# Altium PCB galileo_cleaned.PcbDoc (part 10 of 10)
Units mil, origin at the board's own origin, x right, y up, seen from the top; angles counter-clockwise.
Board outline 4205 x 2835.09 mil, 6 copper layers (TOP, PWR, LYR_1, LYR_2, GND, BOTTOM), stack 80.1 mil thick; 533 components, 432 nets, 2101 pads, 1155 vias.
Unrouted connection lines stored in the file: 669.
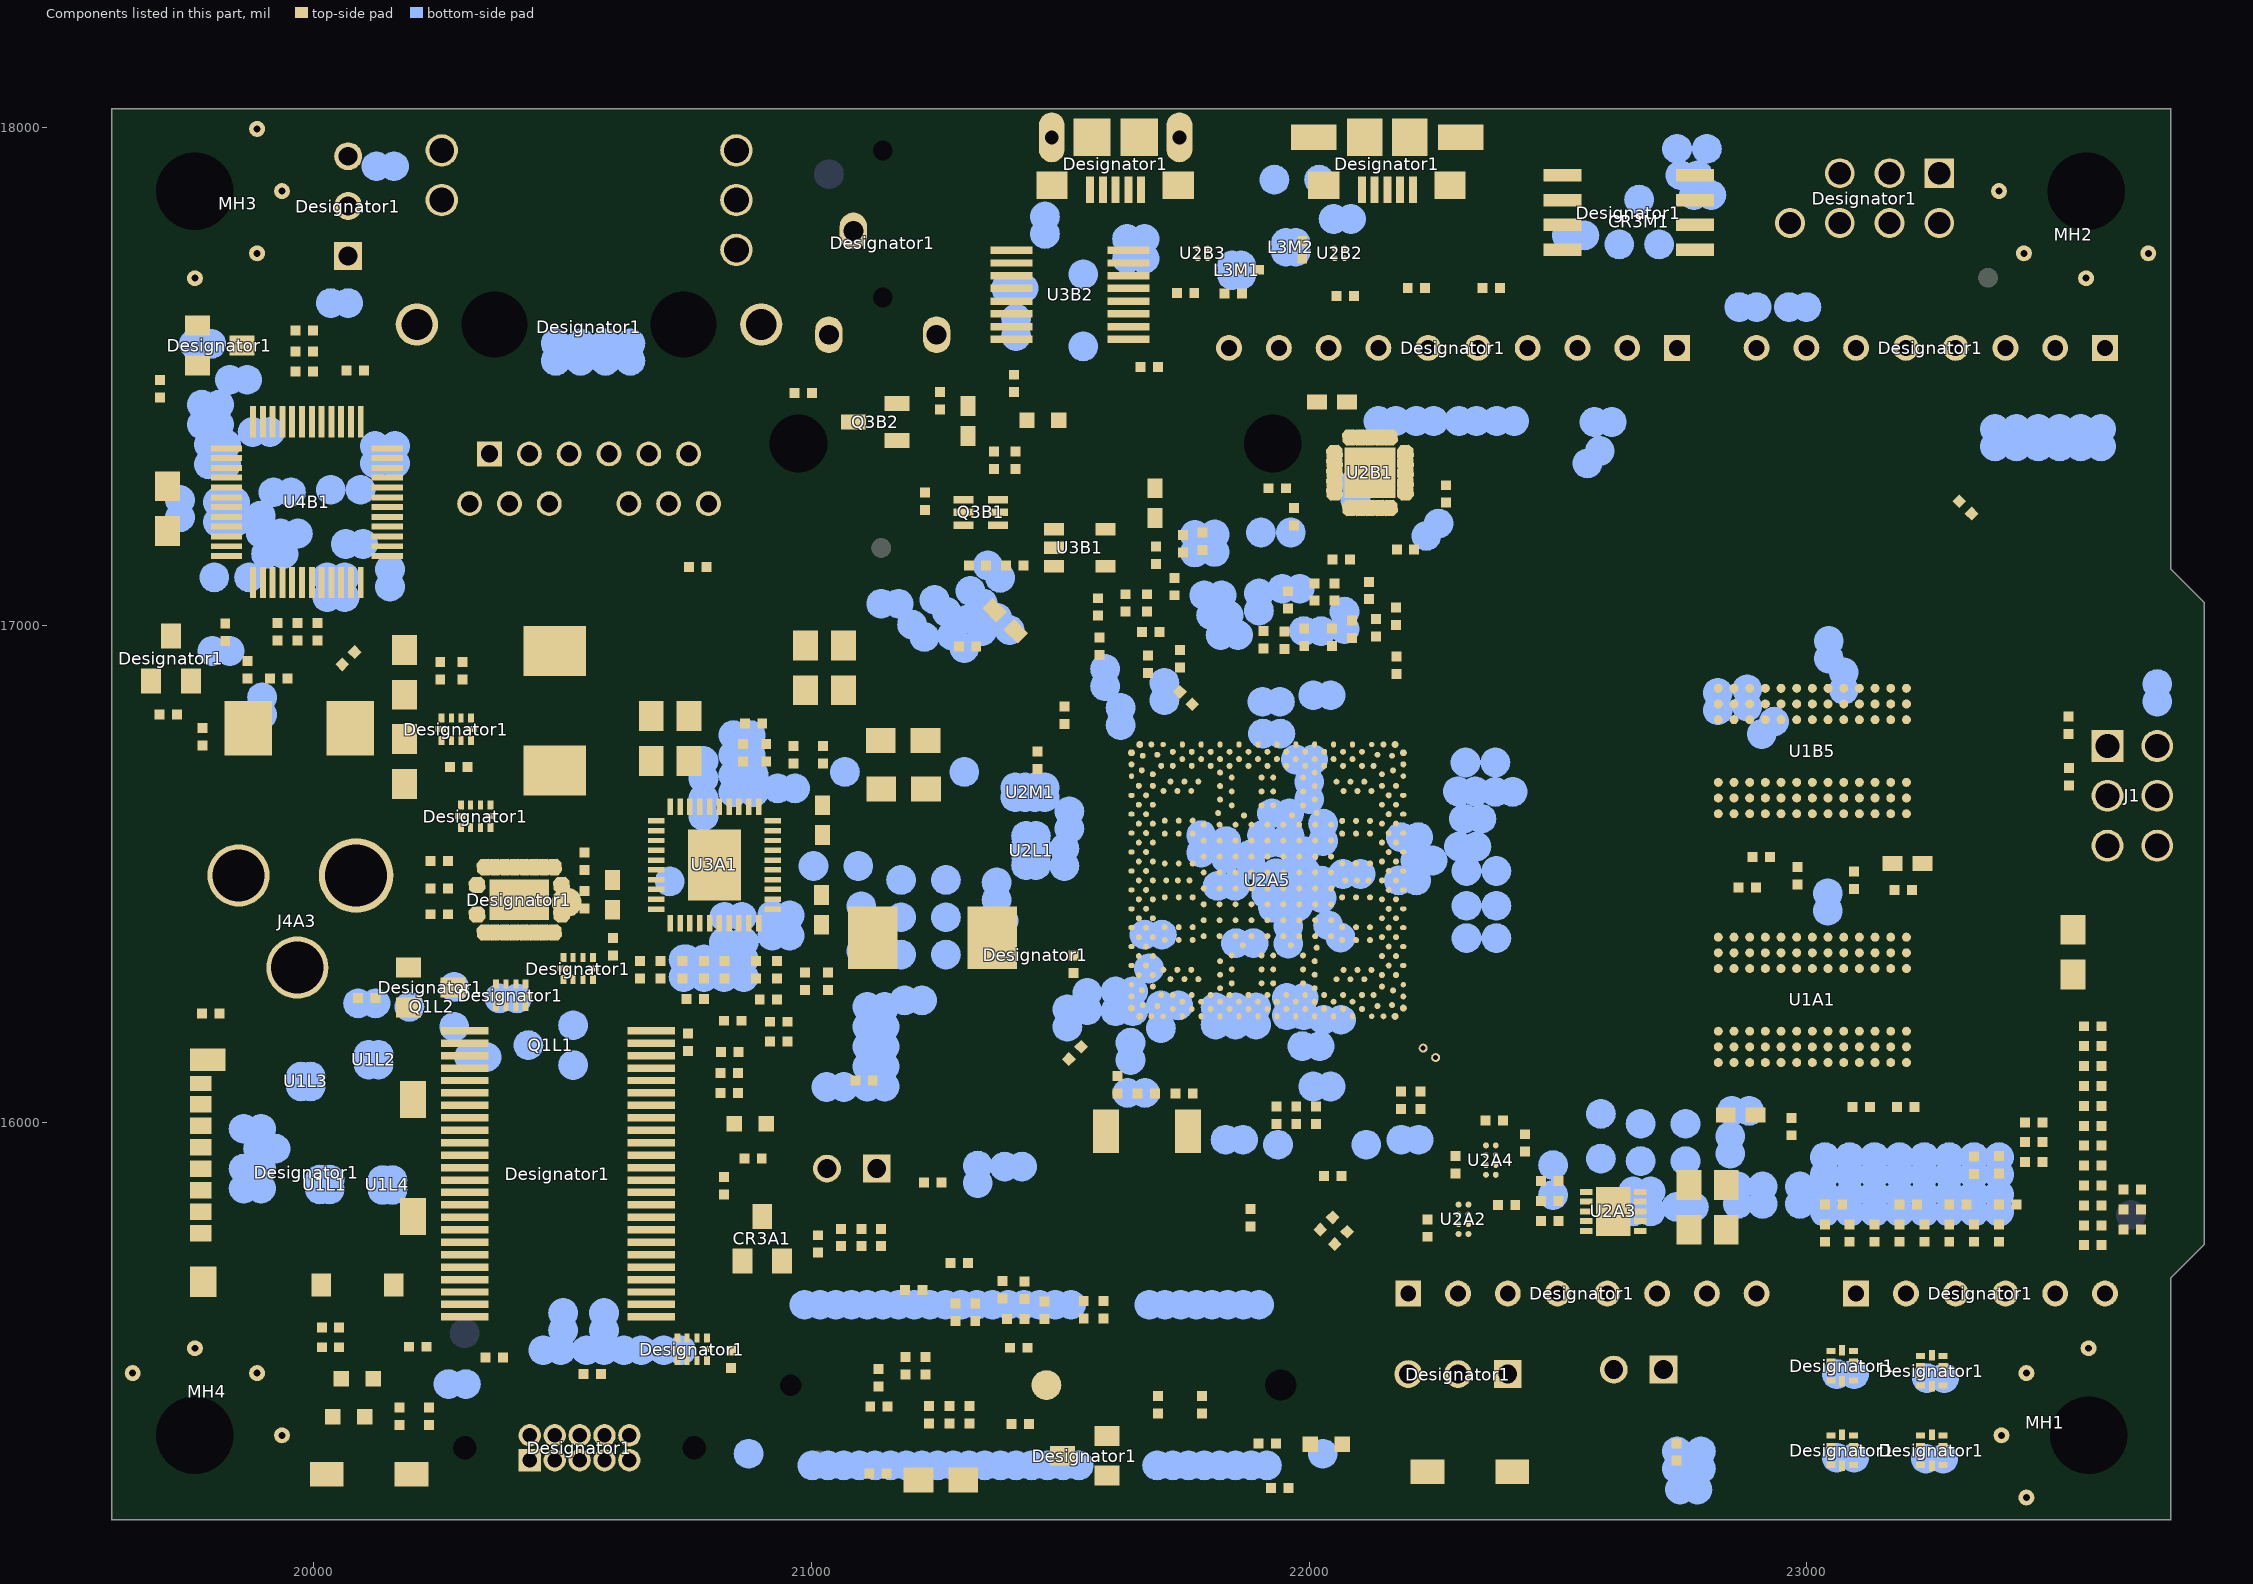
[diagram p14: the components of this part, seen from the top]

## Silkscreen, mask and mechanical layers (free items; w line width, h text height)
Top Overlay:
  lines w6: 21026,15964 21026,15992 21051,15992 ; 21053,15981 21053,16004 ; 21065,15970 21065,16013 ; 21078,15981 21078,16004 ; 21090,15970 21090,16013 ; 21092,15992 21135,15992 21135,15960 ; 22122,15602 22131,15590 22373,15590 22382,15599 ; 22133,15721 22142,15733 22282,15732 22297,15713 ; 22246,17399 22246,17321 22534,17320 22596,17255 ; 22351,15734 22496,15734 22496,15709 ; 23148,17248 23206,17323 23651.5,17322 23652,17436 ; 23486,17437 23500,17463 ; 23500,17465 23516,17436 ; 23501,17413 23501,17460 ; 23583,17436 23599,17407 ; 23598,17412 23598,17459 ; 23599,17409 23613,17435 ; 23663,15708 23725,15770 23725,15805
  lines w12: 22026,15435 22026,15396 22050,15396
  text "USB" at 21843,17974.67 h40
  text "HOST" at 21771,17918.67 h40
  text "USB" at 21363.33,17863 h40 r90
  text "CLIENT" at 21419.33,17780 h40 r90
  text "J2" at 20031,17631 h40
  text "UART" at 21022,17485 h50
  text "AREF" at 21996,17470 h31
  text "1" at 23511,17470 h40 r90
  text "7" at 22924.67,17436 h50 r90
  text "8" at 22772.67,17435 h50 r90
  text "0" at 23619.33,17427 h40 r90
  text "4" at 23226.67,17422 h50 r90
  text "2" at 23417.67,17421 h50 r90
  text "SDA" at 21972.33,17419.5 h31 r90
  text "SCL" at 21858,17418 h31 r90
  text "GND" at 22163.33,17412.5 h31 r90
  text "12" at 22375.67,17399.5 h50 r90
  text "13" at 22275.67,17395.5 h50 r90
  text "~9" at 22661.67,17390.5 h50 r90
  text "~6" at 23033.67,17386.5 h50 r90
  text "~5" at 23129.67,17380.5 h50 r90
  text "~3" at 23317.67,17369.5 h50 r90
  text "USB" at 21433,17348.67 h40
  text "~11" at 22466.67,17349 h50 r90
  text "~10" at 22567.67,17341 h50 r90
  text "TX" at 23520.33,17332 h40 r90
  text "RX" at 23616.33,17330 h40 r90
  text "DIGITAL(PWM~)" at 22620,17231.67 h40
  text "10/100 LAN" at 20241,17076 h50
  text "ICSP" at 23557.5,16909.33 h50
  text "FUSE" at 19757,16691 h31
  text "F4B1" at 19918,16690 h31
  text "5V PWR" at 19606,16253 h50
  text "SDIO" at 19840,16157 h50
  text "-" at 21052,16037 h50 r180
  text "+" at 21139,16035 h50 r180
  text "GP" at 20906,16031 h31
  text "J3A1" at 20977,15853 h31 r90
  text "ANALOG IN" at 23747.33,15812 h40 r90
  text "COIN" at 21006,15807.67 h40
  text "3.3V" at 22350,15741.67 h40
  text "VIN" at 22882,15719.67 h40
  text "GND" at 22767.5,15715.67 h31
  text "5V" at 22556,15714.67 h40
  text "GND" at 22644,15712.67 h40
  text "IOREF" at 21941,15680 h40
  text "RESET" at 21940,15610.67 h40
  text "A0" at 23064,15561.67 h40
  text "A1" at 23170,15562 h40
  text "A2" at 23269,15561 h40
  text "A4" at 23465,15561 h40
  text "A5" at 23587,15560.67 h40
  text "A3" at 23368,15560 h40
  text "POWER" at 22777,15552.67 h40
  text "5V" at 22452,15476.67 h40
  text "3.3V" at 21982,15471.67 h40
  text "SD" at 19953,15469.67 h31
  text "JTAG" at 20811,15449 h50 r270
  text "VIN" at 22698,15406 h40
  text "ON" at 19952,15395.67 h31
  text "IOREF" at 22205,15384.67 h40
  text "5V" at 22574,15374.67 h40
  text "REBOOT" at 22460,15283 h40
  text "RESET" at 19985.33,15217.5 h28 r90
Bottom Overlay:
  circle w6: c22508,17124 r63.63
  circle w6: c22685,17199 r63.63
  circle w6: c22837,17198 r63.63
  circle w6: c22685,17044 r63.63
  lines w6: 20628,17949 20628,18037 ; 22646,17093 22720,16991 ; 22596,16960 22915,16960 22925,16960 22925,17288 22596,17288 22596,16960
  text "SPEED" at 20658,18005 h31 r180
  text "LINK" at 20301,18004.33 h31 r180
  text "e1" at 22645,17220 h50 r180
  text "e1" at 22798,17216 h50 r180
  text "b4" at 22469,17148 h50 r180
  text "2LI" at 22771,17074 h50 r180
  text "Pb" at 22648,17070 h50 r180
  text "MAC ADDRESS" at 22180,15732 h40 r180
  text "TMS" at 20446.33,15506 h40 r90
  text "TCK" at 20498.33,15506 h40 r90
  text "TD0" at 20549.33,15505 h40 r90
  text "TDI" at 20602.33,15504 h40 r90
  text "TRST" at 20700.33,15501 h40 r90
  text "PCIE" at 22181,15396 h40 r180
  text "LB1" at 20176,15343.5 h50 r180
OUTLINE:
  lines w1: 19594,15203 19594,18037 23731,18037 23731,17112 23798,17045 23798,15756 23731,15689 23731,15203 19594,15203
ASSEMBLY_BOTTOM:
  circle w1: c22232.7,15975.17 r30
  circle w1: c22232.7,15975.17 r20
  circle w1: c22232.7,15975.17 r10
  circle w1: c22027,15762.87 r30
  circle w1: c22027,15762.87 r20
  circle w1: c22027,15762.87 r10
  circle w1: c21233,17903.17 r30
  circle w1: c21233,17903.17 r20
  circle w1: c21233,17903.17 r10
  circle w1: c21153,18017.17 r30
  circle w1: c21153,18017.17 r20
  circle w1: c21153,18017.17 r10
  circle w1: c23733,17045.17 r50
  circle w1: c23573,17045.17 r50
  circle w1: c23813,17245.17 r50
  circle w1: c23653,17245.17 r50
  circle w1: c23413,17045.17 r50
  circle w1: c23493,17245.17 r50
  circle w1: c23201,17765.17 r85
  circle w1: c23301,18065.17 r65
  circle w1: c23301,18265.17 r65
  circle w1: c22712.89,17873.45 r10
  circle w1: c22136.68,15710.25 r12
  circle w1: c22136.68,15670.87 r12
  circle w1: c22136.68,15631.49 r12
  circle w1: c22136.68,15592.11 r12
  circle w1: c22180.08,15904.85 r12
  circle w1: c22180.08,15865.49 r12
  circle w1: c22140.7,15904.85 r12
  circle w1: c22140.7,15865.49 r12
  circle w1: c23513,17765.17 r10
  circle w1: c22097.32,15710.25 r12
  circle w1: c22097.32,15670.87 r12
  circle w1: c22097.32,15631.49 r12
  circle w1: c22097.32,15592.11 r12
  circle w1: c22101.32,15904.85 r12
  circle w1: c22101.32,15865.49 r12
  circle w1: c22061.94,15865.49 r12
  circle w1: c22061.94,15904.85 r12
  circle w1: c23050.92,17286.57 r10
  circle w1: c21321,17671.17 r52
  circle w1: c20921,17671.17 r52
  circle w1: c21121,17671.17 r52
  circle w1: c20521,17671.17 r52
  circle w1: c20721,17671.17 r52
  circle w1: c19921,17671.17 r52
  circle w1: c20121,17671.17 r52
  circle w1: c20321,17671.17 r52
  circle w1: c21145.4,17286.57 r10
  circle w1: c19721,17671.17 r52
  lines w1: 21003.3,15645.9 cw(c21006.13,15648.73) 21003.3,15651.56 ; 21014.61,15662.87 cw(c21017.44,15660.04) 21020.27,15662.87 ; 21016.03,15633.17 ccw(c21018.86,15636) 21021.69,15633.17 ; 21033,15417.17 ccw(c21037,15417.17) 21037,15413.17 ; 21033,15435.17 cw(c21037,15435.17) 21037,15439.17 ; 21033,15459.17 ccw(c21037,15459.17) 21037,15455.17 ; 21033,15477.17 cw(c21037,15477.17) 21037,15481.17 ; 21033,15616.2 cw(c21035.83,15619.03) 21033,15621.86 ; 21033,15644.48 ccw(c21030.17,15647.31) 21033,15650.14 ; 21044.31,15633.17 cw(c21047.14,15630.34) 21049.97,15633.17 ; 21045.73,15603.47 ccw(c21048.56,15606.3) 21051.39,15603.47 ; 21053,15413.17 ccw(c21053,15417.17) 21057,15417.17 ; 21053,15439.17 cw(c21053,15435.17) 21057,15435.17 ; 21053,15455.17 ccw(c21053,15459.17) 21057,15459.17 ; 21053,15481.17 cw(c21053,15477.17) 21057,15477.17 ; 21062.7,15614.78 ccw(c21059.87,15617.61) 21062.7,15620.44 ; 21063.3,15709.9 cw(c21066.13,15712.73) 21063.3,15715.56 ; 21074.61,15726.87 cw(c21077.44,15724.04) 21080.27,15726.87 ; 21076.03,15697.17 ccw(c21078.86,15700) 21081.69,15697.17 ; 21089,15413.17 ccw(c21093,15413.17) 21093,15409.17 ; 21089,15429.17 cw(c21093,15429.17) 21093,15433.17 ; 21093,15680.2 cw(c21095.83,15683.03) 21093,15685.86 ; 21093,15708.48 ccw(c21090.17,15711.31) 21093,15714.14 ; 21104.31,15697.17 cw(c21107.14,15694.34) 21109.97,15697.17 ; 21105.73,15667.47 ccw(c21108.56,15670.3) 21111.39,15667.47 ; 21111,15409.17 ccw(c21111,15413.17) 21115,15413.17 ; 21111,15433.17 cw(c21111,15429.17) 21115,15429.17 ; 21121,15509.17 ccw(c21125,15509.17) 21125,15505.17 ; 21121,15527.17 cw(c21125,15527.17) 21125,15531.17 ; 21121,15551.17 ccw(c21125,15551.17) 21125,15547.17 ; 21121,15569.17 cw(c21125,15569.17) 21125,15573.17 ; 21122.7,15678.78 ccw(c21119.87,15681.61) 21122.7,15684.44 ; 21131,15413.17 ccw(c21135,15413.17) 21135,15409.17 ; 21131,15429.17 cw(c21135,15429.17) 21135,15433.17 ; 21141,15505.17 ccw(c21141,15509.17) 21145,15509.17 ; 21141,15531.17 cw(c21141,15527.17) 21145,15527.17 ; 21141,15547.17 ccw(c21141,15551.17) 21145,15551.17 ; 21141,15573.17 cw(c21141,15569.17) 21145,15569.17 ; 21144.3,15678.78 cw(c21147.13,15681.61) 21144.3,15684.44 ; 21153,15409.17 ccw(c21153,15413.17) 21157,15413.17 ; 21153,15433.17 cw(c21153,15429.17) 21157,15429.17 ; 21155.61,15667.47 ccw(c21158.44,15670.3) 21161.27,15667.47 ; 21157.03,15697.17 cw(c21159.86,15694.34) 21162.69,15697.17 ; 21159,15467.17 ccw(c21163,15467.17) 21163,15463.17 ; 21159,15485.17 cw(c21163,15485.17) 21163,15489.17 ; 21159,15509.17 ccw(c21163,15509.17) 21163,15505.17 ; 21159,15527.17 cw(c21163,15527.17) 21163,15531.17 ; 21174,15680.2 ccw(c21171.17,15683.03) 21174,15685.86 ; 21174,15708.48 cw(c21176.83,15711.31) 21174,15714.14 ; 21179,15463.17 ccw(c21179,15467.17) 21183,15467.17 ; 21179,15489.17 cw(c21179,15485.17) 21183,15485.17 ; 21179,15505.17 ccw(c21179,15509.17) 21183,15509.17 ; 21179,15531.17 cw(c21179,15527.17) 21183,15527.17 ; 21185.31,15697.17 ccw(c21188.14,15700) 21190.97,15697.17 ; 21186.73,15726.87 cw(c21189.56,15724.04) 21192.39,15726.87 ; 21203.7,15709.9 ccw(c21200.87,15712.73) 21203.7,15715.56 ; 21221,15585.17 ccw(c21225,15585.17) 21225,15581.17 ; 21221,15603.17 cw(c21225,15603.17) 21225,15607.17 ; 21221,15627.17 ccw(c21225,15627.17) 21225,15623.17 ; 21221,15645.17 cw(c21225,15645.17) 21225,15649.17 ; 21241,15581.17 ccw(c21241,15585.17) 21245,15585.17 ; 21241,15607.17 cw(c21241,15603.17) 21245,15603.17 ; 21241,15623.17 ccw(c21241,15627.17) 21245,15627.17 ; 21241,15649.17 cw(c21241,15645.17) 21245,15645.17 ; 22386.35,17704.85 ccw(c22496.35,17704.85) 22606.35,17704.85 ; 22386.35,17742.85 cw(c22496.35,17742.85) 22606.35,17742.85 ; 22721,18122.17 ccw(c22831,18122.17) 22941,18122.17 ; 22721,18160.17 cw(c22831,18160.17) 22941,18160.17 ; 22819.43,17704.85 ccw(c22929.43,17704.85) 23039.43,17704.85 ; 22819.43,17742.85 cw(c22929.43,17742.85) 23039.43,17742.85
ARDUINO:
  lines w10: 21097.8,15594.33 ccw(c21137.17,15594.33) 21137.17,15554.96 23658.43,15554.96 ccw(c23658.43,15594.33) 23697.8,15594.33 23697.8,15654.96 23797.8,15754.96 23797.8,17044.96 23697.8,17144.96 23697.8,17594.96 23637.8,17654.96 21137.17,17654.96 ccw(c21137.17,17615.59) 21097.8,17615.59 21097.8,15594.33
WEEE_LABEL:
  circle w1: c22898.51,16277.25 r12.5
  circle w1: c22898,16277.5 r12.5
  lines w1: 19736,15683.87 20006.32,15683.87 ; 19736,15728.56 20006.32,15728.56 ; 19756,15617.75 19756,15683.87 ; 19756,15728.56 19756,15768.56 ; 19771.5,15444 19771.5,15432.5 19802.5,15432.5 19802.5,15444 ; 19771.5,15583 19771.5,15594.5 19802.5,15594.5 19802.5,15583 ; 19796.5,15894 19785,15894 19785,15925 19796.5,15925 ; 19861,15632.16 19994.63,15632.16 ; 19861,15682.65 20006.32,15682.65 ; 19881,15607.75 19881,15632.16 19881,15682.65 ; 19896.5,15434 19896.5,15422.5 19927.5,15422.5 19927.5,15434 ; 19896.5,15573 19896.5,15584.5 19927.5,15584.5 19927.5,15573 ; 19935.5,15894 19947,15894 19947,15925 19935.5,15925 ; 19970.25,15878.5 20006.32,15878.5 20207.82,15878.5 ; 20006.32,15732.65 20006.32,15898.5 ; 20207.82,15898.5 20207.82,15732.65 20396,15732.65 ; 20235.28,15377.56 20396,15377.56 ; 20376,15377.56 20376,15444.25 ; 20376,15652.75 20376,15732.65 ; 20391.5,15479 20391.5,15467.5 20422.5,15467.5 20422.5,15479 ; 20391.5,15618 20391.5,15629.5 20422.5,15629.5 20422.5,15618 ; 23536,17872 23586,17872 ; 23561,17847 23561,17897

## Text inside footprints (layer, text, board x,y; h text height)
Designator1: Top Overlay "10" at 21782.8,17581 h31 r180
Designator1: Top Overlay "6" at 23681.4,15671 h31 r180
Designator1: Top Overlay "8" at 22836.4,17602 h31 r180
Designator1: Top Overlay "8" at 22969.4,15753 h31 r180
Designator1: Top Overlay "8" at 22964.6,17726 h31 r270; Top Overlay "2" at 23265.2,17726 h31 r270; Bottom Overlay "8" at 22964.6,17726 h31 r270; Bottom Overlay "2" at 23265.2,17726 h31 r270
Designator1: Top Overlay "3" at 20189,17927 h40 r90
Designator1: Top Overlay "3" at 22135,15511 h31 r180
Designator1: Top Overlay "6" at 20931.4,17310 h31 r180; Top Overlay "12" at 20966.8,17254 h31 r180; Top Overlay "7" at 20204.4,17241 h31 r180; Top Overlay "13" at 20202.8,17885 h31 r180; Top Overlay "14" at 20194.8,17974 h31 r180; Top Overlay "16" at 20961.8,17870 h31 r180; Top Overlay "15" at 20971.8,17772 h31 r180; Top Overlay "17" at 20961.8,17970 h31 r180; Bottom Overlay "6" at 20822.4,17351 h31 r180; Bottom Overlay "1" at 20311.4,17357 h31 r180; Bottom Overlay "12" at 20871.8,17231 h31 r180; Bottom Overlay "7" at 20278.41,17260 h31 r180; Bottom Overlay "13" at 20191.8,17871 h31 r180; Bottom Overlay "14" at 20188.8,17966 h31 r180; Bottom Overlay "16" at 20947.81,17866 h31 r180; Bottom Overlay "15" at 20952.8,17771 h31 r180; Bottom Overlay "17" at 20952.81,17968 h31 r180
Designator1: Top Overlay "10" at 20656.8,15490 h31 r180; Top Overlay "2" at 20437.4,15490 h31 r180; Top Overlay "9" at 20660.4,15240 h31 r180
Designator1: Top Overlay "2" at 22558,15519 h31 r180
Designator1: Top Overlay "10" at 20114.41,15639.56 h31 r270; Top Overlay "9" at 19973.74,15635.56 h31 r270; Top Overlay "8" at 19718,16080 h31 r270
Designator1: Bottom Overlay "52" at 20944.8,15686 h31 r180; Bottom Overlay "2" at 21947.4,15683 h31 r180; Bottom Overlay "51" at 20989.8,15253 h31 r180
J1: Top Overlay "5" at 23524.2,16540.94 h31; Top Overlay "6" at 23750.66,16542.64 h31; Top Overlay "2" at 23755.41,16750.93 h31; Bottom Overlay "5" at 23546.75,16540.94 h31; Bottom Overlay "6" at 23774.28,16542.43 h31; Bottom Overlay "2" at 23777.96,16750.93 h31
J4A3: Top Overlay "3" at 20064.4,16279 h31 r270
U2A2: Top Overlay "2" at 22323.04,15864.53 h8 r180; Top Overlay "1" at 22303.36,15864.53 h8 r180; Top Overlay "A" at 22348.04,15840.54 h8 r180; Top Overlay "B" at 22348.04,15820.85 h8 r180; Top Overlay "C" at 22348.04,15801.16 h8 r180; Top Overlay "D" at 22348.04,15781.16 h8 r180
U2A4: Top Overlay "2" at 22358.36,15866.47 h8; Top Overlay "1" at 22378.04,15866.47 h8; Top Overlay "A" at 22333.36,15890.46 h8; Top Overlay "B" at 22333.36,15910.15 h8; Top Overlay "C" at 22333.36,15929.84 h8; Top Overlay "D" at 22333.36,15949.84 h8
U2B2: Top Overlay "A" at 22143.4,17733 h31 r180; Top Overlay "B" at 22157.4,17781 h31 r180
U2B3: Top Overlay "A" at 21802.4,17810 h31 r270; Top Overlay "B" at 21765.4,17809 h31 r270
U2L1: Bottom Overlay "2" at 21434.36,16605.53 h8 r180; Bottom Overlay "1" at 21454.04,16605.53 h8 r180; Bottom Overlay "A" at 21409.36,16581.54 h8 r180; Bottom Overlay "B" at 21409.36,16561.85 h8 r180; Bottom Overlay "C" at 21409.36,16542.16 h8 r180; Bottom Overlay "D" at 21409.36,16522.16 h8 r180
U2M1: Bottom Overlay "2" at 21383.67,16654.16 h8 r270; Bottom Overlay "1" at 21383.67,16673.84 h8 r270; Bottom Overlay "A" at 21407.66,16629.16 h8 r270; Bottom Overlay "B" at 21427.35,16629.16 h8 r270; Bottom Overlay "C" at 21447.04,16629.16 h8 r270; Bottom Overlay "D" at 21467.04,16629.16 h8 r270